# KiCad board VFDSAO.kicad_pcb
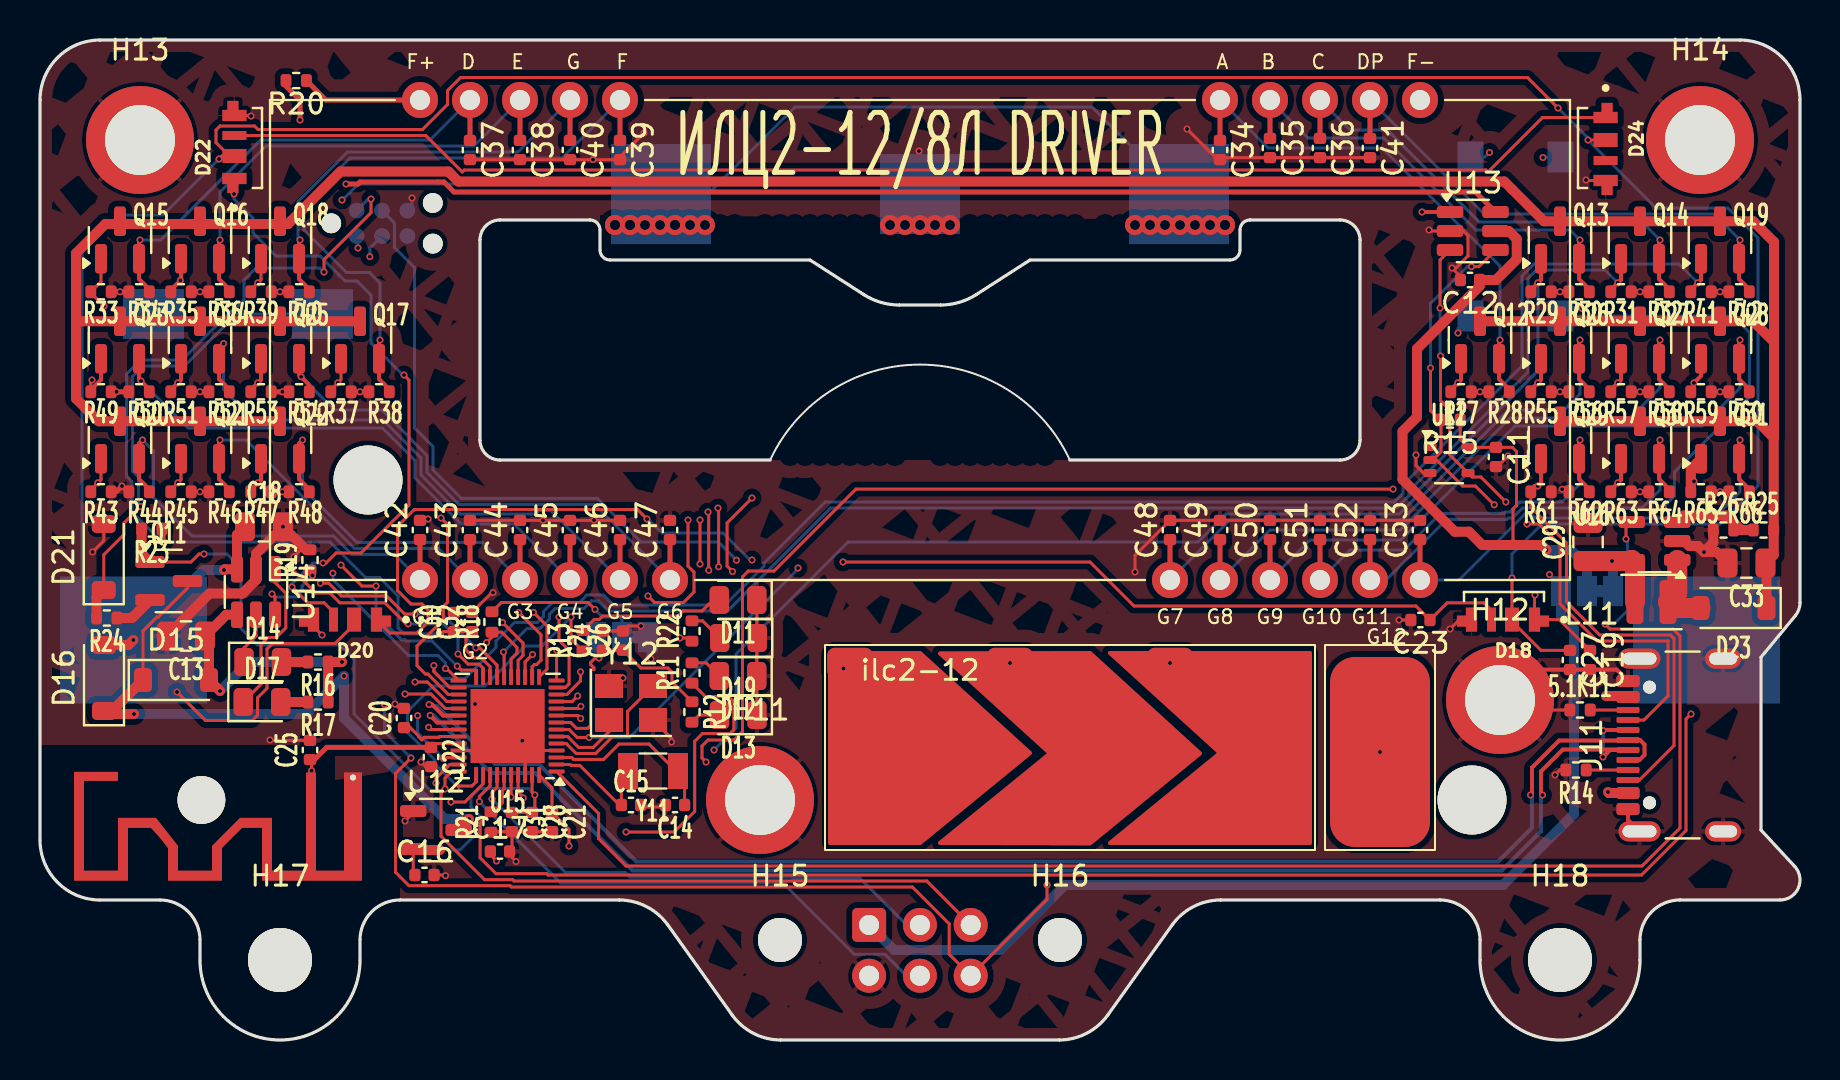
[diagram p0: board, top side]
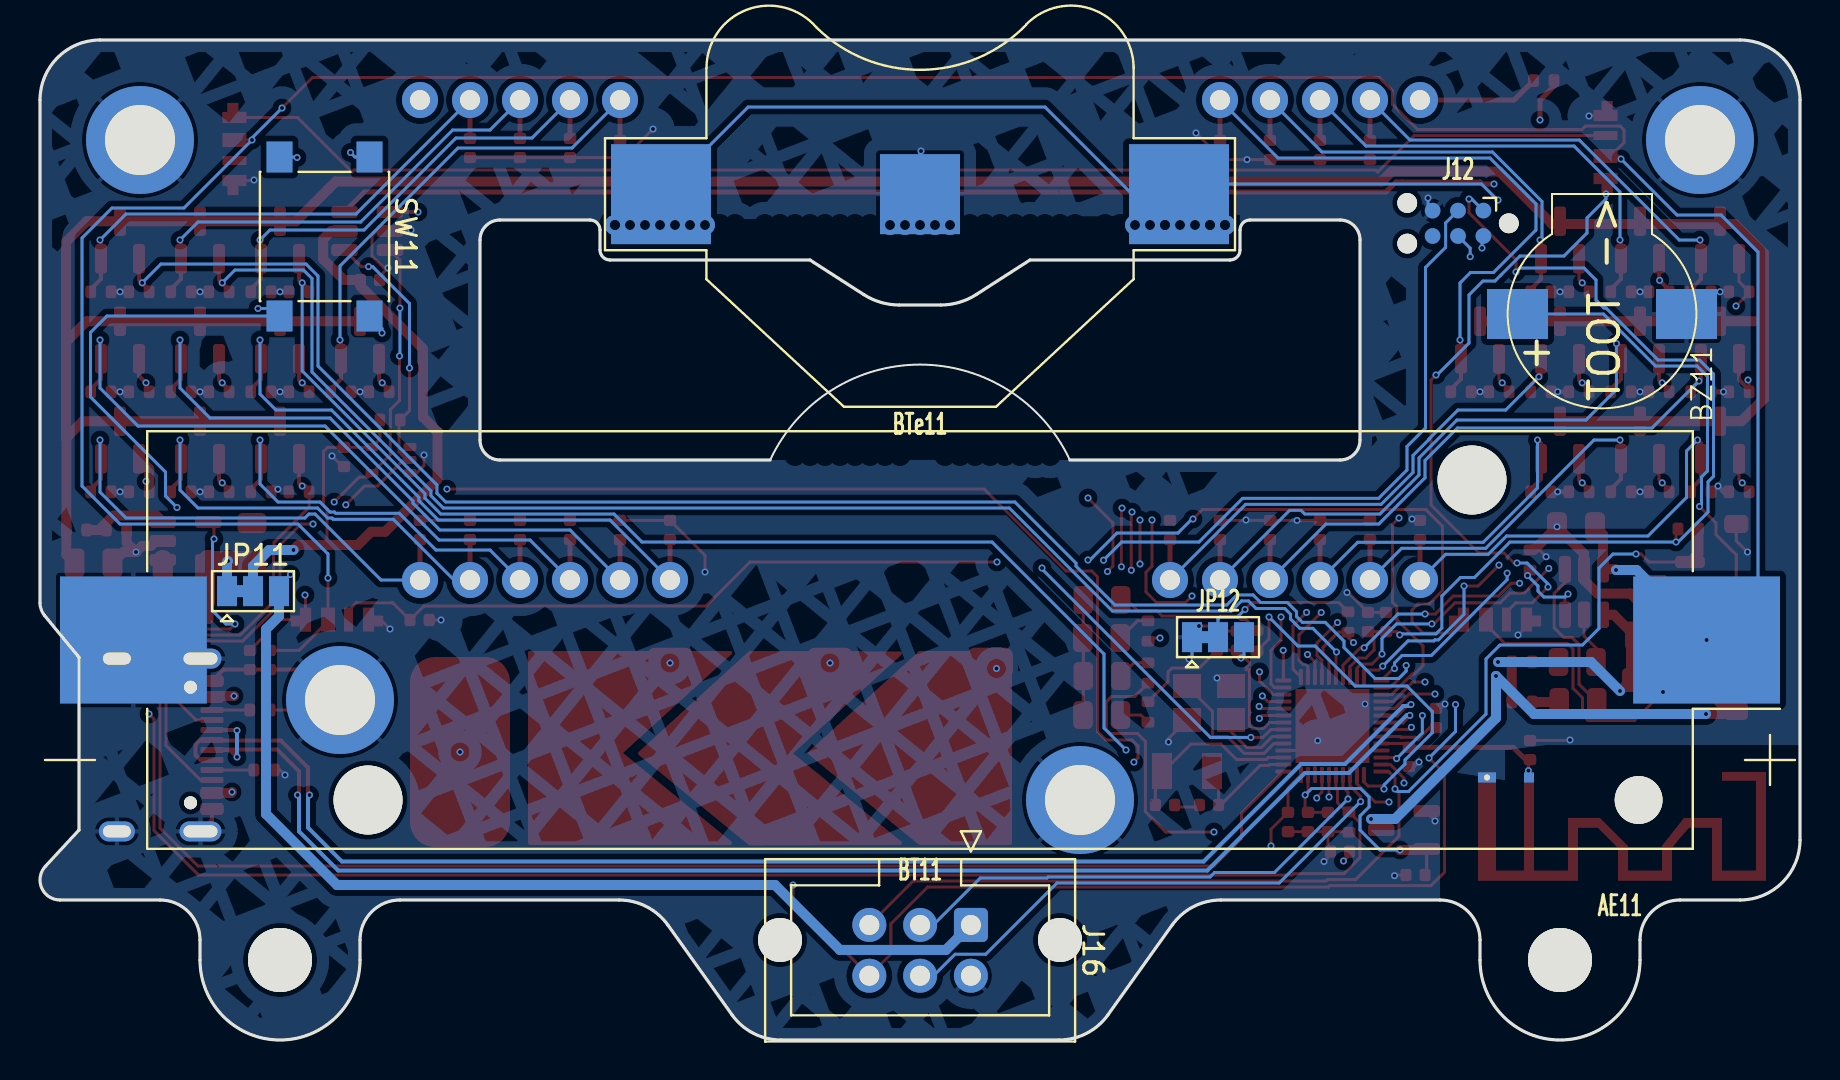
[diagram p1: board, bottom side, seen from below]

Outline 88 x 50 mm; copper layers: Top, In1.Cu, In2.Cu, Bottom. Coordinates in mm from the lower left corner of the outline.
Outline path: 0,47 0,10 arc(0.88,7.88) 3,7 6,7 arc(7.41,6.41) 8,5 8,4 arc(12,0) 16,4 16,5 arc(16.59,6.41) 18,7 28.96,7 arc(30.33,6.67) 31.4,5.74 34.6,1.26 arc(35.67,0.33) 37.04,0 50.96,0 arc(52.33,0.33) 53.4,1.26 56.6,5.74 arc(57.67,6.67) 59.04,7 70,7 arc(71.41,6.41) 72,5 72,4 arc(76,0) 80,4 80,5 arc(80.59,6.41) 82,7 87,7 arc(87.92,7.6) 87.73,8.68 86.05,10.5 86.05,19.14 87.77,21.22 arc(87.94,21.52) 88,21.86 88,47 arc(87.12,49.12) 85,50 3,50 arc(0.88,49.12) 0,47 ; 22,40 arc(22.29,40.71) 23,41 27.5,41 arc(27.85,40.85) 28,40.5 28,39.5 arc(28.15,39.15) 28.5,39 38.5,39 41.19,37.27 arc(42.04,36.88) 42.96,36.75 45.04,36.75 arc(45.96,36.88) 46.81,37.27 49.5,39 59.5,39 arc(59.85,39.15) 60,39.5 60,40.5 arc(60.15,40.85) 60.5,41 65,41 arc(65.71,40.71) 66,40 66,30 arc(65.71,29.29) 65,29 51.49,29 arc(44,33.77) 36.51,29 23,29 arc(22.29,29.29) 22,30 22,40
Stack: Top 0.035mm / dielectric 0.1mm FR4 er 4.5 / In1.Cu 0.035mm / dielectric 1.24mm FR4 er 4.5 / In2.Cu 0.035mm / dielectric 0.1mm FR4 er 4.5 / Bottom 0.035mm

## Placement (name value [footprint] x y rotation side)
5.1K11  R  [R_0402_1005Metric]  77 16.5 0 top
AE11  Antenna  [Texas_SWRA117D_2.4GHz_Left]  13.55 12.44 0 bottom
BT11  Battery  [BatteryHolder_Keystone_1042_1x18650]  44 20 0 bottom
BTe11  ~  [BatteryHolder_Multicomp_BC-2001_1x2032]  44 42.29 180 bottom
BZ11  Buzzer  [9032]  9.9 36.3 90 bottom
C11  100nF  [C_0402_1005Metric]  72.8 29.15 270 top
C12  100nF  [C_0402_1005Metric]  71.5 38 180 top
C13  10uF 50V  [C_0805_2012Metric]  7.3 20.2 180 top
C14  12pF  [C_0402_1005Metric]  31.75 11.75 180 top
C15  12pF  [C_0402_1005Metric]  29.55 11.75 0 top
C16  1uF  [C_0402_1005Metric]  19.22 8.25 0 top
C17  1uF  [C_0402_1005Metric]  23 9.42 0 top
C18  10uF 50V  [C_0805_2012Metric]  11.2 25.66 0 top
C19  1nF  [C_0402_1005Metric]  77.5 19 270 top
C20  1uF  [C_0402_1005Metric]  18.2 16.1 90 top
C21  100nF  [C_0402_1005Metric]  25.6 10.9 270 top
C22  1pf  [C_0402_1005Metric]  19.55 14.15 270 top
C23  1nF  [C_0402_1005Metric]  69.02 21 180 top
C24  100nF  [C_0402_1005Metric]  28.15 19.97 90 top
C25  1pf  [C_0402_1005Metric]  13.5 14.5 90 top
C26  100nF  [C_0402_1005Metric]  29.15 19.97 90 top
C27  1nF  [C_0402_1005Metric]  76.5 19 270 top
C28  100nF  [C_0402_1005Metric]  24.6 10.9 270 top
C29  10uF 50V  [C_0805_2012Metric]  77.4 24.9 90 top
C30  100nF  [C_0402_1005Metric]  20.7 20.9 90 top
C31  100nF  [C_0402_1005Metric]  23.6 10.9 270 top
C32  100nF  [C_0402_1005Metric]  21.6 20.9 90 top
C33  10uF 50V  [C_0805_2012Metric]  85.32 23.85 180 top
C34  1nF  [C_0402_1005Metric]  59 44.5 270 top
C35  1nF  [C_0402_1005Metric]  61.5 44.6 270 top
C36  1nF  [C_0402_1005Metric]  64 44.6 270 top
C37  1nF  [C_0402_1005Metric]  21.5 44.5 270 top
C38  1nF  [C_0402_1005Metric]  24 44.5 270 top
C39  1nF  [C_0402_1005Metric]  29 44.5 270 top
C40  1nF  [C_0402_1005Metric]  26.5 44.5 270 top
C41  1nF  [C_0402_1005Metric]  66.5 44.6 270 top
C42  1nF  [C_0402_1005Metric]  19 25.5 90 top
C43  1nF  [C_0402_1005Metric]  21.5 25.5 90 top
C44  1nF  [C_0402_1005Metric]  24 25.5 90 top
C45  1nF  [C_0402_1005Metric]  26.5 25.5 90 top
C46  1nF  [C_0402_1005Metric]  29 25.5 90 top
C47  1nF  [C_0402_1005Metric]  31.5 25.5 90 top
C48  1nF  [C_0402_1005Metric]  56.5 25.5 90 top
C49  1nF  [C_0402_1005Metric]  59 25.5 90 top
C50  1nF  [C_0402_1005Metric]  61.5 25.5 90 top
C51  1nF  [C_0402_1005Metric]  64 25.5 90 top
C52  1nF  [C_0402_1005Metric]  66.5 25.5 90 top
C53  1nF  [C_0402_1005Metric]  69 25.5 90 top
D11  RED  [LED_0805_2012Metric]  34.9 22 180 top
D12  RED  [LED_0805_2012Metric]  34.9 18.2 180 top
D13  RED  [LED_0805_2012Metric]  34.91 16.25 180 top
D14  GREEN  [LED_0805_2012Metric]  11.14 18.9 0 top
D15  D  [D_SOD-123]  6.8 18 0 top
D16  D  [D_SOD-123]  3.2 18.1 90 top
D17  RED  [LED_0805_2012Metric]  11.1 16.9 0 top
D18  IN-PI42TASPRPGPB  [LED_IN-PI42TASPRPGPB]  73.2 21.6 180 top
D19  RED  [LED_0805_2012Metric]  34.92 20.1 180 top
D20  IN-PI42TASPRPGPB  [LED_IN-PI42TASPRPGPB]  15.3 21.6 180 top
D21  D  [D_SOD-123]  3.19 24.15 90 top
D22  IN-PI42TASPRPGPB  [LED_IN-PI42TASPRPGPB]  10.3 44.6 90 top
D23  D  [D_SOD-123]  84.68 21.6 180 top
D24  IN-PI42TASPRPGPB  [LED_IN-PI42TASPRPGPB]  77.7 44.6 270 top
D25  -  [ilc2-12]  44 35 0 top
H11  ~  [m2.5SMT]  36 12 0 top
H12  ~  [m2.5SMT]  73 17 0 top
H13  ~  [m2.5SMT]  5 45 0 top
H14  ~  [m2.5SMT]  83 45 0 top
H15  MountingHole  [MountingHole_2.2mm_M2]  37 5 0 top
H16  MountingHole  [MountingHole_2.2mm_M2]  51 5 0 top
H17  MountingHole  [MountingHole_3.2mm_M3]  12 4 0 top
H18  MountingHole  [MountingHole_3.2mm_M3]  76 4 0 top
J11  USB_C_Receptacle  [USB_C_Receptacle_GCT_USB4105-xx-A_16P_TopMnt_Horizontal]  83.08 14.75 90 top
J12  Conn_ARM_SWD_TagConnect_TC2030-NL  [Tag-Connect_TC2030-IDC-NL_2x03_P1.27mm_Vertical]  17.1 40.83 0 bottom
J14  SLIDE  [Slider]  39.5 9.85 0 top
J15  BUTT  [touchButton]  64.5 9.9 0 top
J16  Conn_02x03_Odd_Even  [IDC-Header_2x03_P2.54mm_Vertical]  41.45 5.75 270 bottom
JP11  Jumper_3_Bridged12  [SolderJumper-3_P1.3mm_Bridged12_Pad1.0x1.5mm]  77.35 22.44 180 bottom
JP12  BOOT1  [SolderJumper-3_P1.3mm_Bridged12_Pad1.0x1.5mm]  29.1 20.14 180 bottom
L11  L  [L_APV_ANR252010]  80.57 21.9 0 top
Q11  AO3401A  [SOT-23]  6.44 22.95 0 top
Q12  AO3401A  [SOT-23]  72 35 90 top
Q13  AO3401A  [SOT-23]  76 40 90 top
Q14  AO3401A  [SOT-23]  80 40 90 top
Q15  AO3401A  [SOT-23]  4 40 90 top
Q16  AO3401A  [SOT-23]  8 40 90 top
Q17  AO3401A  [SOT-23]  16 35 90 top
Q18  AO3401A  [SOT-23]  12 40 90 top
Q19  AO3401A  [SOT-23]  84 40 90 top
Q20  AO3401A  [SOT-23]  4 30 90 top
Q21  AO3401A  [SOT-23]  8 30 90 top
Q22  AO3401A  [SOT-23]  12 30 90 top
Q23  AO3401A  [SOT-23]  4 35 90 top
Q24  AO3401A  [SOT-23]  8 35 90 top
Q25  AO3401A  [SOT-23]  12 35 90 top
Q26  AO3401A  [SOT-23]  76 35 90 top
Q27  AO3401A  [SOT-23]  80 35 90 top
Q28  AO3401A  [SOT-23]  84 35 90 top
Q29  AO3401A  [SOT-23]  76 30 90 top
Q30  AO3401A  [SOT-23]  80 30 90 top
Q31  AO3401A  [SOT-23]  84 30 90 top
R11  1K  [R_0402_1005Metric]  32.6 18.35 90 top
R12  1K  [R_0402_1005Metric]  32.6 16.4 270 top
R13  1K  [R_0402_1005Metric]  27.15 19.96 90 top
R14  5.1K  [R_0402_1005Metric]  76.8 13.5 180 top
R15  10K  [R_0402_1005Metric]  70.5 31 180 top
R16  1K  [R_0402_1005Metric]  13.9 18.9 180 top
R17  1K  [R_0402_1005Metric]  13.9 16.9 180 top
R18  10K  [R_0402_1005Metric]  22.6 20.9 90 top
R19  R  [R_0402_1005Metric]  13.5 24 90 top
R20  47  [R_0402_1005Metric]  12.81 47.97 180 top
R21  10K  [R_0402_1005Metric]  22.55 10.9 90 top
R22  1K  [R_0402_1005Metric]  32.6 20.45 90 top
R23  10K  [R_0402_1005Metric]  5.59 25.55 180 top
R24  47  [R_0402_1005Metric]  3.34 21.1 180 top
R25  190K  [R_0402_1005Metric]  86.18 25.5 180 top
R26  10K  [R_0402_1005Metric]  84.18 25.5 180 top
R27  10K  [R_0402_1005Metric]  71.05 32.41 0 top
R28  100K  [R_0402_1005Metric]  72.96 32.41 180 top
R29  10K  [R_0402_1005Metric]  75.05 37.41 0 top
R30  100K  [R_0402_1005Metric]  76.96 37.41 180 top
R31  10K  [R_0402_1005Metric]  79.05 37.41 0 top
R32  100K  [R_0402_1005Metric]  80.96 37.41 180 top
R33  10K  [R_0402_1005Metric]  3.05 37.41 0 top
R34  100K  [R_0402_1005Metric]  4.95 37.41 180 top
R35  10K  [R_0402_1005Metric]  7.05 37.41 0 top
R36  100K  [R_0402_1005Metric]  8.95 37.41 180 top
R37  10K  [R_0402_1005Metric]  15.05 32.41 0 top
R38  100K  [R_0402_1005Metric]  16.95 32.41 180 top
R39  10K  [R_0402_1005Metric]  11.05 37.41 0 top
R40  100K  [R_0402_1005Metric]  12.95 37.41 180 top
R41  10K  [R_0402_1005Metric]  83.05 37.41 0 top
R42  100K  [R_0402_1005Metric]  84.96 37.41 180 top
R43  10K  [R_0402_1005Metric]  3.05 27.41 0 top
R44  100K  [R_0402_1005Metric]  4.95 27.41 180 top
R45  10K  [R_0402_1005Metric]  7.05 27.41 0 top
R46  100K  [R_0402_1005Metric]  8.95 27.41 180 top
R47  10K  [R_0402_1005Metric]  11.05 27.41 0 top
R48  100K  [R_0402_1005Metric]  12.95 27.41 180 top
R49  10K  [R_0402_1005Metric]  3.05 32.41 0 top
R50  100K  [R_0402_1005Metric]  4.95 32.41 180 top
R51  10K  [R_0402_1005Metric]  7.05 32.41 0 top
R52  100K  [R_0402_1005Metric]  8.95 32.41 180 top
R53  10K  [R_0402_1005Metric]  11.05 32.41 0 top
R54  100K  [R_0402_1005Metric]  12.95 32.41 180 top
R55  10K  [R_0402_1005Metric]  75.05 32.41 0 top
R56  100K  [R_0402_1005Metric]  76.96 32.41 180 top
R57  10K  [R_0402_1005Metric]  79.05 32.41 0 top
R58  100K  [R_0402_1005Metric]  80.96 32.41 180 top
R59  10K  [R_0402_1005Metric]  83.05 32.41 0 top
R60  100K  [R_0402_1005Metric]  84.96 32.41 180 top
R61  10K  [R_0402_1005Metric]  75.05 27.41 0 top
R62  100K  [R_0402_1005Metric]  76.96 27.41 180 top
R63  10K  [R_0402_1005Metric]  79.05 27.41 0 top
R64  100K  [R_0402_1005Metric]  80.96 27.41 180 top
R65  10K  [R_0402_1005Metric]  83.05 27.41 0 top
R66  100K  [R_0402_1005Metric]  84.96 27.41 180 top
SW11  SW_Push  [SW_Push_1P1T_NO_6x6mm_H9.5mm]  73.78 40.17 270 bottom
U11  74AHCT1G14  [SOT-353_SC-70-5]  70.45 29 0 top
U12  XC6206PxxxMR  [SOT-23-3]  19.8 10.5 0 top
U13  FM116B  [SOT-23-6]  71.64 40.45 0 top
U14  TP4057  [TSOT-23-6]  10.8 22.4 270 top
U15  CH32V208CBU6  [QFN-48-1EP_5x5mm_P0.35mm_EP3.7x3.7mm]  23.38 15.7 180 top
U16  LGS6302B5  [SOT-23-5]  80.72 24.95 180 top
Y11  Crystal  [Crystal_SMD_3215-2Pin_3.2x1.5mm]  30.65 13.45 180 top
Y12  32MHz  [Crystal_SMD_3225-4Pin_3.2x2.5mm]  29.55 16.85 0 top

## Library data of the parts
5.1K11 R11-R14 R16-R19 R21-R23 R25-R66 = -: Description: Resistor; ki_fp_filters: R_*
AE11 = -: Description: Antenna with extra pin for shielding
BT11 = -: Description: Multiple-cell battery
BTe11 = -: Description: Single-cell battery
BZ11 = -: Description: Buzzer, polarized; ki_fp_filters: *Buzzer*
C11 C12 C14-C18 C20-C22 C24-C26 C28 C30-C32 = -: Description: Unpolarized capacitor; ki_fp_filters: C_*
C13 C29 C33 = -: Description: Unpolarized capacitor; LCSC: C440198; ki_fp_filters: C_*
C19 C23 C27 C34-C53 = -: Description: Unpolarized capacitor; LCSC: C1523; ki_fp_filters: C_*
D11-D13 D17 D19 = -: Description: Light emitting diode; LCSC: C84256; ki_fp_filters: LED* LED_SMD:* LED_THT:*
D14 = -: Description: Light emitting diode; LCSC: C2297; ki_fp_filters: LED* LED_SMD:* LED_THT:*
D15 D16 D21 D23 = -: Description: Diode; Sim.Pins: 1=K 2=A; LCSC: C8598; ki_fp_filters: TO-???* *_Diode_* *SingleDiode* D_*
D18 D20 D22 D24 = -: PARTREV: Oct. 10, 2021; STANDARD: Manufacturer Recommendations; MAXIMUM_PACKAGE_HEIGHT: 2.05 mm; MANUFACTURER: Inolux
H11-H14 = -: Description: Mounting Hole with connection; ki_fp_filters: MountingHole*Pad*
H15-H18 = -: Description: Mounting Hole without connection; ki_fp_filters: MountingHole*
J11 = -: Datasheet: https://www.usb.org/sites/default/files/documents/usb_type-c.zip; Description: USB Full-Featured Type-C Receptacle connector; LCSC: C393939; ki_fp_filters: USB*C*Receptacle*
J12 = -: Datasheet: https://www.tag-connect.com/wp-content/uploads/bsk-pdf-manager/TC2030-CTX_1.pdf; Description: Tag-Connect ARM Cortex SWD JTAG connector, 6 pin, no legs; ki_fp_filters: *TC2030*
J14 = -: Description: Generic connector, single row, 01x03, script generated; ki_fp_filters: Connector*:*_1x??_*
J15 = -: Description: Generic connector, single row, 01x01, script generated; ki_fp_filters: Connector*:*_1x??_*
J16 = -: Description: Generic connector, double row, 02x03, odd/even pin numbering scheme (row 1 odd numbers, row 2 even numbers), script generated (kicad-library-utils/schlib/autogen/connector/); ki_fp_filters: Connector*:*_2x??_*
JP11 JP12 = -: Description: Jumper, 3-pole, pins 1+2 closed/bridged; ki_fp_filters: Jumper* TestPoint*3Pads* TestPoint*Bridge*
L11 = -: Description: Inductor; LCSC: C19267877; ki_fp_filters: Choke_* *Coil* Inductor_* L_*
Q11-Q31 = -: Datasheet: http://www.aosmd.com/pdfs/datasheet/AO3401A.pdf; Description: -4.0A Id, -30V Vds, P-Channel MOSFET, SOT-23; ki_fp_filters: SOT?23*
R15 = -: ki_fp_filters: R_*
R20 R24 = -: LCSC: C1096; ki_fp_filters: R_*
SW11 = -: Description: Push button switch, generic, two pins
U11 = -: Datasheet: http://www.ti.com/lit/sg/scyt129e/scyt129e.pdf; LCSC: C460501; ki_fp_filters: SOT* SG-*
U12 = -: Datasheet: https://www.torexsemi.com/file/xc6206/XC6206.pdf; Description: Positive 60-250mA Low Dropout Regulator, Fixed Output, SOT-23; ki_fp_filters: SOT?23?3*
U13 = -: Datasheet: https://datasheet.lcsc.com/szlcsc/Shenzhen-Fuman-Elec-FM116B_C190601.pdf; LCSC: C2802264; ki_fp_filters: DIP*W7.62mm* SOIC*3.9x4.9mm*P1.27mm*
U14 = -: Datasheet: http://toppwr.com/uploadfile/file/20230304/640302a47b738.pdf; Description: Constant-current/constant-voltage linear charger for single cell lithium-ion batteries with 2.9V Trickle Charge, 4.5V to 6.5V VDD, -40 to +85 degree Celsius, TSOT-23-5; ki_fp_filters: TSOT?23*
U15 = -: Datasheet: https://www.wch-ic.com/downloads/CH32V208DS0_PDF.html; Description: RISC-V BLE5.3 MCU, 2*USB, CAN
U16 = -: Datasheet: https://datasheet.lcsc.com/lcsc/2304071430_Legend-Si-LGS6302_C5123975.pdf; Description: 1.5A, 1.2MHz Boost DC/DC Converter, adjustable 3-60V output voltage, SOT-23-5; LCSC: C5123975; ki_fp_filters: SOT?23*
Y11 = -: Description: Two pin crystal; LCSC: C32346; ki_fp_filters: Crystal*
Y12 = -: Description: Four pin crystal, GND on pins 2 and 4; LCSC: C164054; ki_fp_filters: Crystal*

## Footprints (pads in the part's own frame, mm; a bottom-side part is the same pattern mirrored in y, then rotated)
9032
  rect 2.5x3.05 smd: 1(0,4.225) 2(0,-4.225)
BatteryHolder_Keystone_1042_1x18650
  round 2.39 hole 2.39 unplated: (-35.93,8)
  round 3.45 hole 3.45 unplated: (-27.6,-8) (27.6,8)
  rect 7.34x6.35 smd: 1(-39.33,0) 2(39.33,0)
BatteryHolder_Multicomp_BC-2001_1x2032
  rect 5x5 smd: 1(-12.95,0) 1(12.95,0)
  rect 4x4 smd: 2(0,0)
C_0402_1005Metric
  rrect 0.56x0.62 smd: 1(-0.48,0) 2(0.48,0)
C_0805_2012Metric
  rrect 1x1.45 smd: 1(-0.95,0) 2(0.95,0)
Crystal_SMD_3215-2Pin_3.2x1.5mm
  rect 1x1.8 smd: 1(1.25,0) 2(-1.25,0)
Crystal_SMD_3225-4Pin_3.2x2.5mm
  rect 1.4x1.2 smd: 1(-1.1,-0.85) 2(1.1,-0.85) 3(1.1,0.85) 4(-1.1,0.85)
D_SOD-123
  rrect 0.9x1.2 smd: 1(-1.65,0) 2(1.65,0)
IDC-Header_2x03_P2.54mm_Vertical
  rrect 1.7x1.7 hole 1: 1(0,0)
  round 1.7 hole 1: 2(2.54,0) 3(0,-2.54) 4(2.54,-2.54) 5(0,-5.08) 6(2.54,-5.08)
ilc2-12
  round 1.8 hole 1: 1(-25,12) 2(-22.5,12) 3(-20,12) 4(-17.5,12) 5(-15,12) 6(15,12) 7(17.5,12) 8(20,12) 9(22.5,12) 10(25,12) 11(25,-12) 12(22.5,-12) 13(20,-12) 14(17.5,-12) 15(15,-12) 16(12.5,-12) 17(-12.5,-12) 18(-15,-12) 19(-17.5,-12) 20(-20,-12) 21(-22.5,-12) 22(-25,-12)
L_APV_ANR252010
  rrect 0.85x2.2 smd: 1(-0.825,0) 2(0.825,0)
LED_0805_2012Metric
  rrect 0.975x1.4 smd: 1(-0.938,0) 2(0.938,0)
LED_IN-PI42TASPRPGPB
  custom 1.01x1.21 smd: 1(-1.525,0.58) 4(1.625,0.58)
  rect 0.7x1.2 smd: 2(-0.4,0.58)
  rect 0.45x1.2 smd: 3(0.625,0.58)
m2.5SMT
  round 5.4 hole 3.5: 1(0,0)
MountingHole_2.2mm_M2
  round 2.2 hole 2.2 unplated: (0,0)
MountingHole_3.2mm_M3
  round 3.2 hole 3.2 unplated: (0,0)
QFN-48-1EP_5x5mm_P0.35mm_EP3.7x3.7mm
  rrect 0.99x0.99 smd: (-1.23,1.23) (-1.23,0) (-1.23,-1.23) (0,1.23) (0,0) (0,-1.23) (1.23,1.23) (1.23,0) (1.23,-1.23)
  rrect 0.8x0.2 smd: 1(-2.45,2.275) 2(-2.45,1.925) 3(-2.45,1.575) 4(-2.45,1.225) 5(-2.45,0.875) 6(-2.45,0.525) 7(-2.45,0.175) 8(-2.45,-0.175) 9(-2.45,-0.525) 10(-2.45,-0.875) 11(-2.45,-1.225) 12(-2.45,-1.575) 13(-2.45,-1.925) 14(-2.45,-2.275) 25(2.45,-2.275) 26(2.45,-1.925) 27(2.45,-1.575) 28(2.45,-1.225) 29(2.45,-0.875) 30(2.45,-0.525) 31(2.45,-0.175) 32(2.45,0.175) 33(2.45,0.525) 34(2.45,0.875) 35(2.45,1.225) 36(2.45,1.575) 37(2.45,1.925) 38(2.45,2.275)
  rrect 0.2x0.8 smd: 15(-1.575,-2.45) 16(-1.225,-2.45) 17(-0.875,-2.45) 18(-0.525,-2.45) 19(-0.175,-2.45) 20(0.175,-2.45) 21(0.525,-2.45) 22(0.875,-2.45) 23(1.225,-2.45) 24(1.575,-2.45) 39(1.575,2.45) 40(1.225,2.45) 41(0.875,2.45) 42(0.525,2.45) 43(0.175,2.45) 44(-0.175,2.45) 45(-0.525,2.45) 46(-0.875,2.45) 47(-1.225,2.45) 48(-1.575,2.45)
  rect 3.7x3.7 smd: 49(0,0)
R_0402_1005Metric
  rrect 0.54x0.64 smd: 1(-0.51,0) 2(0.51,0)
Slider
  rrect 2.286x1.524 smd: 1(1,9) 2(9,9) 3(17,9)
SolderJumper-3_P1.3mm_Bridged12_Pad1.0x1.5mm
  rect 1x1.5 smd: 1(-1.3,0) 2(0,0) 3(1.3,0)
SOT-23
  rrect 1.475x0.6 smd: 1(-0.938,0.95) 2(-0.938,-0.95) 3(0.938,0)
SOT-23-3
  rrect 1.325x0.6 smd: 1(-1.137,0.95) 2(-1.137,-0.95) 3(1.137,0)
SOT-23-5
  rrect 1.325x0.6 smd: 1(-1.137,0.95) 2(-1.137,0) 3(-1.137,-0.95) 4(1.137,-0.95) 5(1.137,0.95)
SOT-23-6
  rrect 1.325x0.6 smd: 1(-1.137,0.95) 2(-1.137,0) 3(-1.137,-0.95) 4(1.137,-0.95) 5(1.137,0) 6(1.137,0.95)
SOT-353_SC-70-5
  rrect 0.65x0.4 smd: 1(-0.95,0.65) 2(-0.95,0) 3(-0.95,-0.65) 4(0.95,-0.65) 5(0.95,0.65)
SW_Push_1P1T_NO_6x6mm_H9.5mm
  rect 1.55x1.3 smd: 1(-3.975,2.25) 1(3.975,2.25) 2(-3.975,-2.25) 2(3.975,-2.25)
Tag-Connect_TC2030-IDC-NL_2x03_P1.27mm_Vertical
  round 0.991 hole 0.991 unplated: (-2.54,0) (2.54,-1.016) (2.54,1.016)
  round 0.787 smd: 1(-1.27,-0.635) 2(-1.27,0.635) 3(0,-0.635) 4(0,0.635) 5(1.27,-0.635) 6(1.27,0.635)
Texas_SWRA117D_2.4GHz_Left
  rect 0.5x0.5 smd: 1(0,-0.68)
  rect 0.9x0.5 hole 0.3: 2(2.1,-0.68)
touchButton
  rrect 5x9.5 smd: 1(2.5,4.5)
TSOT-23-6
  rrect 1.325x0.6 smd: 1(-1.137,0.95) 2(-1.137,0) 3(-1.137,-0.95) 4(1.137,-0.95) 5(1.137,0) 6(1.137,0.95)
USB_C_Receptacle_GCT_USB4105-xx-A_16P_TopMnt_Horizontal
  round 0.65 hole 0.65 unplated: (-2.89,2.605) (2.89,2.605)
  rrect 0.6x1.15 smd: A1(-3.2,3.68) A4(-2.4,3.68) A9(2.4,3.68) A12(3.2,3.68) B1(3.2,3.68) B4(2.4,3.68) B9(-2.4,3.68) B12(-3.2,3.68)
  rrect 0.3x1.15 smd: A5(-1.25,3.68) A6(-0.25,3.68) A7(0.25,3.68) A8(1.25,3.68) B5(1.75,3.68) B6(0.75,3.68) B7(-0.75,3.68) B8(-1.75,3.68)
  oval 1x2.1 hole 0.6x1.7: S1(-4.32,3.105) S1(4.32,3.105)
  oval 1x1.8 hole 0.6x1.4: S1(-4.32,-1.075) S1(4.32,-1.075)

## Nets
+3V3: C16.1 C24.1 C26.1 C28.1 C30.1 C31.1 C32.1 J12.1 J16.1 JP11.3 JP12.3 R12.1 R23.1 SW11.2 U12.2 U15.8 U15.22 U15.47
+5V: C13.1 D15.2 J11.A4 J11.A9 J11.B4 J11.B9 R16.1 R17.1 U14.4
+24V: C33.1 D23.1 Q12.3 Q13.3 Q14.3 Q15.3 Q16.3 Q17.3 Q18.3 Q19.3 Q20.3 Q21.3 Q22.3 Q23.3 Q24.3 Q25.3 Q26.3 Q27.3 Q28.3 Q29.3 Q30.3 Q31.3 R25.1
/3v3_AN_A: Q12.1 R27.1 U15.44
/3v3_AN_B: Q13.1 R29.1 U15.45
/3v3_AN_C: Q14.1 R31.1 U15.20
/3v3_AN_D: Q15.1 R33.1 U15.21
/3v3_AN_DP: Q19.1 R41.1 U15.26
/3v3_AN_E: Q16.1 R35.1 U15.23
/3v3_AN_F: Q17.1 R37.1 U15.24
/3v3_AN_G: Q18.1 R39.1 U15.25
/3v3_G1: Q20.1 R43.1 U15.17
/3v3_G2: Q21.1 R45.1 U15.18
/3v3_G3: Q22.1 R47.1 U15.13
/3v3_G4: Q23.1 R49.1 U15.14
/3v3_G5: Q24.1 R51.1 U15.15
/3v3_G6: Q25.1 R53.1 U15.16
/3v3_G7: Q26.1 R55.1 U15.27
/3v3_G8: Q27.1 R57.1 U15.28
/3v3_G9: Q28.1 R59.1 U15.29
/3v3_G10: J11.B8 J12.2 Q29.1 R61.1 U15.32
/3v3_G11: J11.A8 J12.4 Q30.1 R63.1 U15.36
/3v3_G12: Q31.1 R22.1 R65.1 U15.37
GND: 5.1K11.1 AE11.2 BT11.2 BTe11.2 BZ11.2 C11.2 C12.2 C13.2 C14.2 C15.2 C16.2 C17.2 C18.2 C19.2 C20.2 C21.2 C22.2 C23.2 C24.2 C25.2 C26.2 C27.2 C28.2 C29.2 C30.2 C31.2 C32.2 C33.2 C34.2 C35.2 C36.2 C37.2 C38.2 C39.2 C40.2 C41.2 C42.2 C43.2 C44.2 C45.2 C46.2 C47.2 C48.2 C49.2 C50.2 C51.2 C52.2 C53.2 D11.1 D12.1 D13.1 D18.4 D19.1 D20.4 D21.2 D22.4 D24.4 H11.1 H12.1 H13.1 H14.1 J11.A1 J11.A12 J11.B1 J11.B12 J11.S1 J12.5 J16.2 JP12.1 R14.2 R19.2 R21.1 R26.2 R27.2 R28.2 R29.2 R30.2 R31.2 R32.2 R33.2 R34.2 R35.2 R36.2 R37.2 R38.2 R39.2 R40.2 R41.2 R42.2 R43.2 R44.2 R45.2 R46.2 R47.2 R48.2 R49.2 R50.2 R51.2 R52.2 R53.2 R54.2 R55.2 R56.2 R57.2 R58.2 R59.2 R60.2 R61.2 R62.2 R63.2 R64.2 R65.2 R66.2 U11.3 U12.1 U13.2 U14.2 U15.4 U15.35 U15.46 U15.49 U16.2 Y12.2 Y12.4
VCC: C17.1 C29.1 D15.1 D16.1 JP11.1 L11.1 Q11.3 R11.1 U12.3 U16.5
+BATT: BT11.1 C18.1 C27.1 D16.2 D18.2 D20.2 D22.2 D24.2 U14.3
/AnodeGateDrive1/OUT: C35.1 D25.7 Q13.2 R30.1
/AnodeGateDrive2/OUT: C36.1 D25.8 Q14.2 R32.1
/AnodeGateDrive3/OUT: C37.1 D25.2 Q15.2 R34.1
/AnodeGateDrive4/OUT: C38.1 D25.3 Q16.2 R36.1
/AnodeGateDrive5/OUT: C39.1 D25.5 Q17.2 R38.1
/AnodeGateDrive6/OUT: C40.1 D25.4 Q18.2 R40.1
/AnodeGateDrive7/OUT: C41.1 D25.9 Q19.2 R42.1
/AnodeGateDrive8/OUT: C42.1 D25.22 Q20.2 R44.1
/AnodeGateDrive9/OUT: C43.1 D25.21 Q21.2 R46.1
/AnodeGateDrive10/OUT: C44.1 D25.20 Q22.2 R48.1
/AnodeGateDrive11/OUT: C45.1 D25.19 Q23.2 R50.1
/AnodeGateDrive12/OUT: C46.1 D25.18 Q24.2 R52.1
/AnodeGateDrive13/OUT: C47.1 D25.17 Q25.2 R54.1
/AnodeGateDrive14/OUT: C48.1 D25.16 Q26.2 R56.1
/AnodeGateDrive15/OUT: C49.1 D25.15 Q27.2 R58.1
/AnodeGateDrive16/OUT: C50.1 D25.14 Q28.2 R60.1
/AnodeGateDrive17/OUT: C51.1 D25.13 Q29.2 R62.1
/AnodeGateDrive18/OUT: C52.1 D25.12 Q30.2 R64.1
/AnodeGateDrive19/OUT: C53.1 D25.11 Q31.2 R66.1
/AnodeGateDrive/OUT: C34.1 D25.6 Q12.2 R28.1
/BOOT0: R21.2 SW11.1 U15.43
/BOOT1: C19.1 D18.1 J16.6 R18.1 U15.19
/BZ_3v3: J16.5 Q11.1 R23.2 U15.38
/F+: D25.1 R20.1
/F-: D25.10 U13.1
/FIL_DRIVE_A: R13.1 R15.2 U11.2 U13.4 U15.39
/FIL_DRIVE_B: U11.4 U13.3 U15.40
/FIL_SUP: C11.1 C12.1 JP11.2 R15.1 U11.5 U13.5
/I2C_SCL: J16.4 U15.41
/I2C_SDA: J16.3 U15.42
/RST: J12.3 U15.7
/TOUCH1: J14.1 U15.9
/TOUCH2: J14.2 U15.10
/TOUCH3: J14.3 U15.11
/TOUCH4: J15.1 U15.12
/USB+: J11.A6 J11.B6 U15.31
/USB-: J11.A7 J11.B7 U15.30
/V_HI_EN: U15.1 U16.4
Net-(AE11-A): AE11.1 C22.1 C25.1 U15.34
Net-(BTe11-+): BTe11.1 C21.1 U15.48
Net-(BZ11-+): BZ11.1 D21.1 R24.2
Net-(D11-A): D11.2 R13.2
Net-(D12-A): D12.2 R11.2
Net-(D13-A): D13.2 R12.2
Net-(D14-A): D14.2 R16.2
Net-(D14-K): D14.1 U14.5
Net-(D17-A): D17.2 R17.2
Net-(D17-K): D17.1 U14.1
Net-(D18-DOUT): C23.1 D18.3 D20.1
Net-(D19-A): D19.2 R22.2
Net-(D20-DOUT): D20.3 D22.1
Net-(D22-DOUT): D22.3 D24.1
Net-(D23-A): D23.2 L11.2 U16.1
Net-(J11-CC1): J11.A5 R14.1
Net-(J11-CC2): 5.1K11.2 J11.B5